# Altium PCB PLD.PcbDoc (part 1 of 4) (continued)
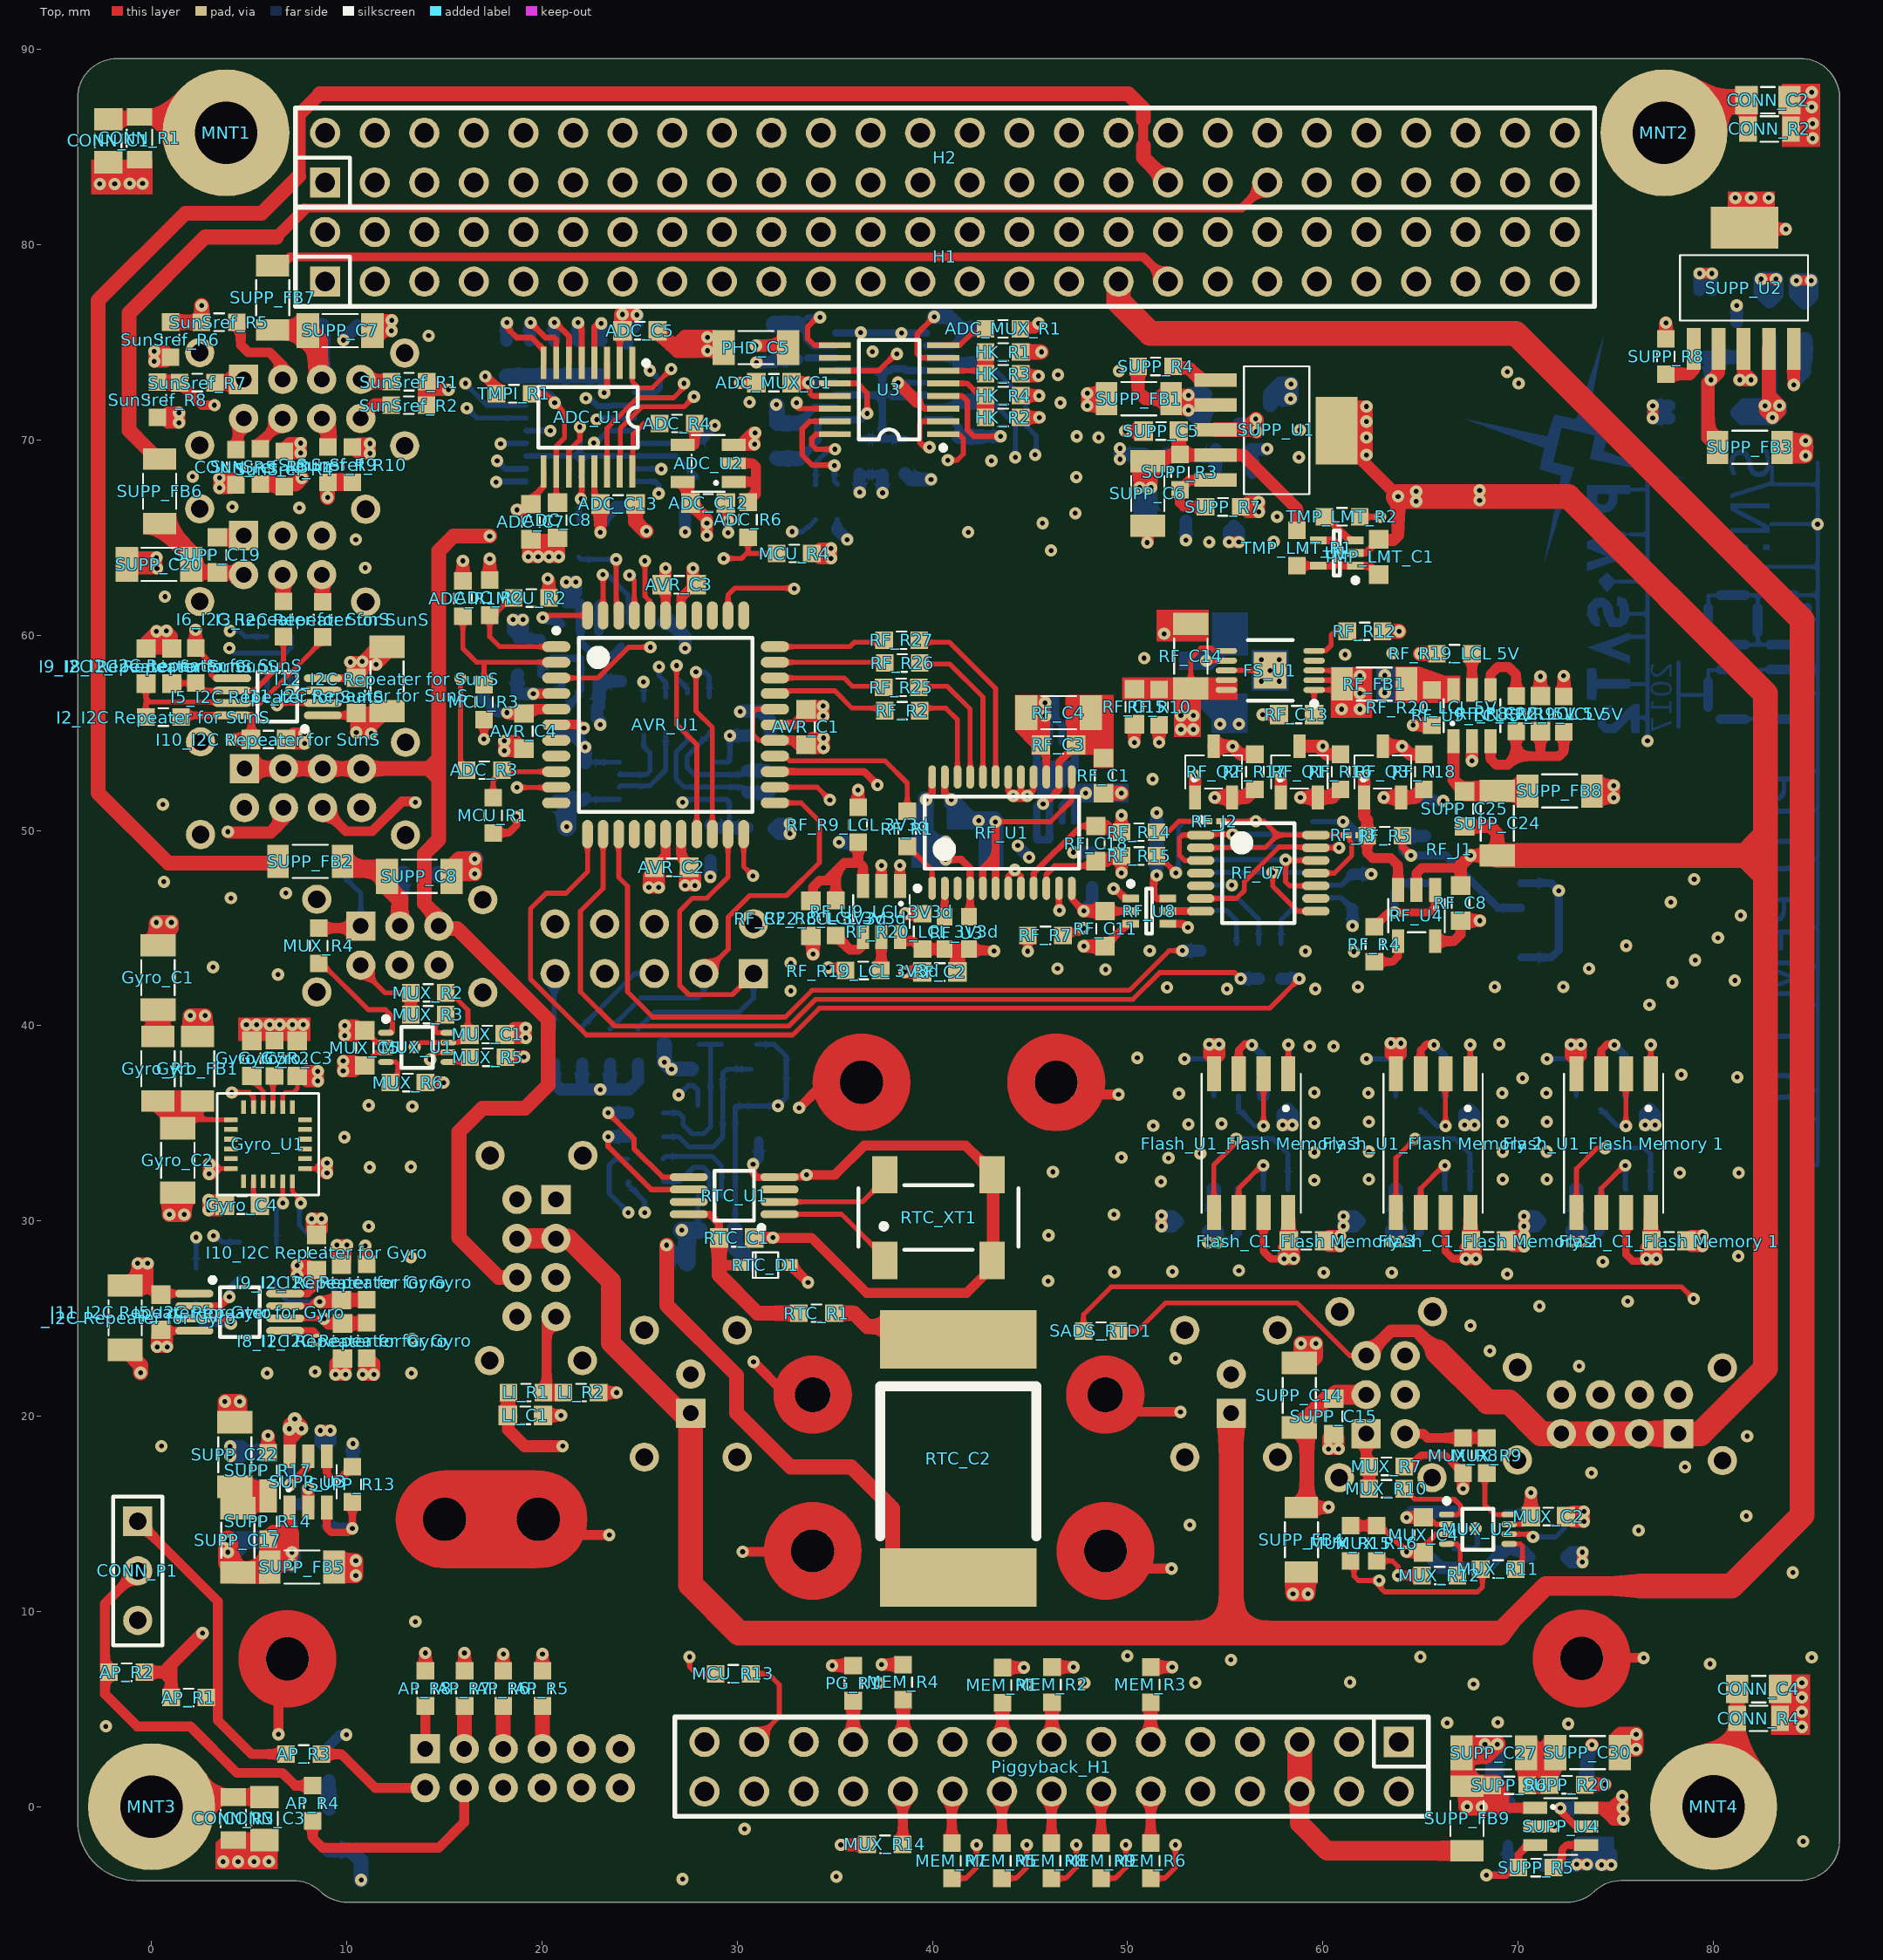
[diagram p0: Top view]
## Components (designator, comment, footprint, x,y, rotation, side; value= is the part's Value field where it differs from the comment)
ADC_C1 "Cap" SMD_Capacitor_0603#1 23.031,74.194 r270 bottom value=10n/50V
ADC_C2 "Cap" SMD_Capacitor_0603#1 21.818,74.188 r270 bottom value=10n/50V
ADC_C3 "Cap" SMD_Capacitor_0603#1 20.604,74.188 r270 bottom value=10n/50V
ADC_C4 "Cap" SMD_Capacitor_0603#1 19.391,74.188 r270 bottom value=10n/50V
ADC_C5 "100n/50V" SMD_Capacitor_0603#1 25.022,75.598 r0 top
ADC_C6 "Cap" SMD_Capacitor_0603#1 18.177,74.188 r270 bottom value=10n/50V
ADC_C7 "Cap" SMD_Capacitor_0603#1 19.427,65.812 r270 top value=10n/50V
ADC_C8 "Cap" SMD_Capacitor_0603#1 20.799,65.888 r270 top value=10n/50V
ADC_C10 "1u/25V" SMD_Capacitor_1206 26.006,74.956 r0 bottom
ADC_C11 "1u/25V" SMD_Capacitor_1206 25.675,66.523 r0 bottom
ADC_C12 "100n/50V" SMD_Capacitor_0603#1 28.512,66.769 r0 top
ADC_C13 "100n/50V" SMD_Capacitor_0603#1 23.889,66.719 r0 top
ADC_J1 "2 way net tie junction" 2way_LP#1 22.025,68.64 r270 bottom net-tie
ADC_J2 "2 way net tie junction" 2way_LP#1 45.056,49.175 r45 bottom net-tie
ADC_MUX_C1 "100n/50V" SMD_Capacitor_0603#1 31.882,72.931 r180 top
ADC_MUX_R1 "330R" SMD_Resistor_0603 43.612,75.692 r0 top
ADC_R1 "10R" SMD_Resistor_0603 15.947,61.875 r270 top
ADC_R2 "10R" SMD_Resistor_0603 17.319,61.926 r270 top
ADC_R3 "10R" SMD_Resistor_0603 17.039,53.087 r0 top
ADC_R4 "10R" SMD_Resistor_0603 26.92,70.841 r0 top
ADC_R6 "100R/1%" SMD_Resistor_0603 30.552,65.914 r270 top
ADC_U1 "ADC128S102CIMT" TSSOP16 22.354,71.164 r180 top
ADC_U2 "NC7SZ00" SOT23-5 28.512,68.801 r180 top
AP_R1 "10k" SMD_Resistor_0603 1.901,5.589 r180 top
AP_R2 "10k" SMD_Resistor_0603 -1.274,6.884 r0 top
AP_R3 "100R" SMD_Resistor_0603 7.794,2.693 r180 top
AP_R4 "100R" SMD_Resistor_0603 8.251,0.178 r90 top
AP_R5 "100R" SMD_Resistor_0603 20.021,6.056 r90 top
AP_R6 "100R" SMD_Resistor_0603 18.015,6.056 r90 top
AP_R7 "100R" SMD_Resistor_0603 16.034,6.056 r90 top
AP_R8 "100R" SMD_Resistor_0603 14.027,6.056 r90 top
AVR_C1 "100n/50V" SMD_Capacitor_0603#1 33.524,55.296 r90 top
AVR_C2 "100n/50V" SMD_Capacitor_0603#1 26.641,48.108 r0 top
AVR_C3 "100n/50V" SMD_Capacitor_0603#1 27.022,62.586 r180 top
AVR_C4 "100n/50V" SMD_Capacitor_0603#1 19.071,55.093 r270 top
AVR_C6 "100n/50V" SMD_Capacitor_0603#1 18.716,58.979 r90 bottom
AVR_P1 "Header 5X2" HDR2X5 30.832,42.673 r180 bottom
AVR_U1 "ATMEGA164PV-10AQ" TQFP-44 26.319,55.407 r0 top
CONN_C1 "100n/100V" SMD_Capacitor_0805 -2.222,85.329 r90 top
CONN_C2 "100n/100V" SMD_Capacitor_0805 82.8,87.402 r180 top
CONN_C3 "100n/100V" SMD_Capacitor_0805 5.787,-0.609 r270 top
CONN_C4 "100n/100V" SMD_Capacitor_0805 82.317,6.02 r0 top
CONN_H1 "SunSref" Harwin_Datamate_L-Tek_M80-8670805 4.714,73.101 r0 bottom locked value="Harwin DataMate L-Tek 2x4pin"
CONN_H2 "Sail" Harwin_Datamate_L-Tek_M80-8670805 20.714,31.101 r270 bottom locked value="Harwin DataMate L-Tek 2x4pin"
CONN_H3 "CAMwing" Harwin_Datamate_L-Tek_M80-8670605 10.714,45.101 r0 bottom locked value="Harwin DataMate L-Tek 2x3pin"
CONN_H4 "PanelsX+Y-_Sensors" Harwin_Datamate_L-Tek_M80-8670805 78.214,19.101 r180 bottom locked value="Harwin DataMate L-Tek 2x4pin"
CONN_H5 "CAMnadir" Harwin_Datamate_L-Tek_M80-8670605 62.214,19.101 r90 bottom locked value="Harwin DataMate L-Tek 2x3pin"
CONN_H6 "PanelsX-Y+_Sensors" Harwin_Datamate_L-Tek_M80-8670805 4.756,53.165 r0 bottom locked value="Harwin DataMate L-Tek 2x4pin"
CONN_H7 "Access port" Harwin_Datamate_L-Tek_M80-8411242 14.014,0.967 r0 bottom locked value="Harwin DataMate L-Tek 2x6pin"
CONN_H8 "SADS_KnifeMain" Harwin_Datamate_L-Tek_M80-8770222 55.302,20.153 r90 bottom locked value="Harwin DataMate L-Tek 1x2pin"
CONN_H9 "SADS_KnifeRed" Harwin_Datamate_L-Tek_M80-8770222 27.616,20.153 r90 bottom locked value="Harwin DataMate L-Tek 1x2pin"
CONN_H10 "SunS" Harwin_Datamate_L-Tek_M80-8670605 4.714,65.101 r0 bottom locked value="Harwin DataMate L-Tek 2x3pin"
CONN_P1 "Header 3" "HEADER 1X3 FEMALE" -0.709,14.62 r270 top locked
CONN_R1 "1k/1%" SMD_Resistor_0805 -0.624,85.454 r90 top
CONN_R2 "1k/1%" SMD_Resistor_0805 82.876,85.929 r180 top
CONN_R3 "1k/1%" SMD_Resistor_0805 4.187,-0.609 r270 top
CONN_R4 "1k/1%" SMD_Resistor_0805 82.317,4.522 r0 top
CONN_R5 "100R" SMD_Resistor_0603 4.314,68.606 r90 top
"Flash_C1_Flash Memory 1" "100n/50V" SMD_Capacitor_0603#1 77.724,28.98 r180 top (schematic designator Flash_C1)
"Flash_C1_Flash Memory 2" "100n/50V" SMD_Capacitor_0603#1 68.478,28.98 r180 top (schematic designator Flash_C1)
"Flash_C1_Flash Memory 3" "100n/50V" SMD_Capacitor_0603#1 59.157,28.98 r180 top (schematic designator Flash_C1)
"Flash_U1_Flash Memory 1" "Value" SOIC-8-W 74.89,33.984 r270 top (schematic designator Flash_U1)
"Flash_U1_Flash Memory 2" "Value" SOIC-8-W 65.644,33.984 r270 top (schematic designator Flash_U1)
"Flash_U1_Flash Memory 3" "Value" SOIC-8-W 56.323,33.984 r270 top (schematic designator Flash_U1)
"FRAM_C1_FRAM Memory 1" "100n/50V" SMD_Capacitor_0603#1 72.023,29.985 r0 bottom (schematic designator FRAM_C1)
"FRAM_C1_FRAM Memory 2" "100n/50V" SMD_Capacitor_0603#1 62.778,29.983 r0 bottom (schematic designator FRAM_C1)
"FRAM_C1_FRAM Memory 3" "100n/50V" SMD_Capacitor_0603#1 53.456,29.985 r0 bottom (schematic designator FRAM_C1)
FS_U1 "LT3042" MSOP-10-M-thermal-pad 57.301,58.197 r180 top
Gyro_C1 "10u/25V" SMD_Capacitor_1206 0.326,42.469 r90 top
Gyro_C2 "10u/25V" SMD_Capacitor_1206 1.342,33.097 r270 top
Gyro_C3 "10nF/50V" SMD_Capacitor_0603#1 7.464,38.329 r90 top
Gyro_C4 "2.2nF/50V" SMD_Capacitor_0603#1 4.644,30.811 r180 top
Gyro_C5 "0.1uF/50V" SMD_Capacitor_0603#1 5.127,38.329 r90 top
Gyro_FB1 "120R/100MHz" SMD_FerriteBead_1206 2.358,37.796 r270 top
Gyro_R1 "0.22R/1%" SMD_Resistor_1206 0.326,37.796 r270 top
Gyro_R2 "10k" SMD_Resistor_0603 6.295,38.329 r90 top value=Res
Gyro_U1 "ITG3200" QFN24_4x4 5.965,33.935 r180 top
H1 "Samtec Header SSQ-126-21-G-D" Samtec_SSQ-126-21-G-D 8.891,78.11 r0 top locked
H2 "Samtec Header SSQ-126-21-G-D" Samtec_SSQ-126-21-G-D 8.89,83.19 r0 top locked
HK_R1 "4.7k/0.1%" SMD_Resistor_0603 43.617,74.506 r180 top
HK_R2 "4.7k/0.1%" SMD_Resistor_0603 43.617,71.153 r180 top
HK_R3 "4.7k/0.1%" SMD_Resistor_0603 43.617,73.388 r0 top
HK_R4 "4.7k/0.1%" SMD_Resistor_0603 43.617,72.27 r0 top
"I1_I2C Repeater for Gyro" "4.7k/1%" SMD_Resistor_0603 11.02,23.877 r90 top (schematic designator I1)
"I1_I2C Repeater for PLD" "4.7k/1%" SMD_Resistor_0603 30.501,53.963 r270 bottom (schematic designator I1)
"I1_I2C Repeater for RTC" "4.7k/1%" SMD_Resistor_0603 30.088,39.048 r180 bottom (schematic designator I1)
"I1_I2C Repeater for SunS" "4.7k/1%" SMD_Resistor_0603 2.257,58.446 r270 top (schematic designator I1)
"I2_I2C Repeater for Gyro" "4.7k/1%" SMD_Resistor_0603 11.024,26.873 r270 top (schematic designator I2)
"I2_I2C Repeater for PLD" "4.7k/1%" SMD_Resistor_0603 30.527,51.042 r90 bottom (schematic designator I2)
"I2_I2C Repeater for RTC" "4.7k/1%" SMD_Resistor_0603 31.612,37.778 r180 bottom (schematic designator I2)
"I2_I2C Repeater for SunS" "4.7k/1%" SMD_Resistor_0603 0.606,55.804 r180 top (schematic designator I2)
"I3_I2C Repeater for Gyro" "100R" SMD_Resistor_0603 6.397,27.89 r270 bottom (schematic designator I3)
"I3_I2C Repeater for PLD" "100R" SMD_Resistor_0603 27.453,56.16 r270 bottom (schematic designator I3)
"I3_I2C Repeater for RTC" "100R" SMD_Resistor_0603 25.32,34.316 r0 bottom (schematic designator I3)
"I3_I2C Repeater for SunS" "100R" SMD_Resistor_0603 8.759,60.808 r270 top (schematic designator I3)
"I4_I2C Repeater for Gyro" "100R" SMD_Resistor_0603 4.492,28.017 r90 bottom (schematic designator I4)
"I4_I2C Repeater for PLD" "100R" SMD_Resistor_0603 26.336,55.931 r90 bottom (schematic designator I4)
"I4_I2C Repeater for RTC" "100R" SMD_Resistor_0603 25.294,33.173 r180 bottom (schematic designator I4)
"I4_I2C Repeater for SunS" "100R" SMD_Resistor_0603 5.914,59.03 r90 bottom (schematic designator I4)
"I5_I2C Repeater for Gyro" "PCA9517" TSSOP8_L 4.517,24.054 r0 top (schematic designator I5)
"I5_I2C Repeater for PLD" "PCA9517" TSSOP8_L 26.412,53.811 r0 bottom (schematic designator I5)
"I5_I2C Repeater for RTC" "PCA9517" TSSOP8_L 27.675,33.587 r90 bottom (schematic designator I5)
"I5_I2C Repeater for SunS" "PCA9517" TSSOP8_L 6.448,58.116 r180 top (schematic designator I5)
"I6_I2C Repeater for Gyro" "100R" SMD_Resistor_0603 8.454,28.068 r270 bottom (schematic designator I6)
"I6_I2C Repeater for PLD" "100R" SMD_Resistor_0603 28.571,55.931 r270 bottom (schematic designator I6)
"I6_I2C Repeater for RTC" "100R" SMD_Resistor_0603 25.32,35.535 r0 bottom (schematic designator I6)
"I6_I2C Repeater for SunS" "100R" SMD_Resistor_0603 6.752,60.834 r270 top (schematic designator I6)
"I7_I2C Repeater for Gyro" "100R" SMD_Resistor_0603 2.282,26.696 r90 bottom (schematic designator I7)
"I7_I2C Repeater for PLD" "100R" SMD_Resistor_0603 25.218,55.779 r90 bottom (schematic designator I7)
"I7_I2C Repeater for RTC" "100R" SMD_Resistor_0603 25.32,32.005 r180 bottom (schematic designator I7)
"I7_I2C Repeater for SunS" "100R" SMD_Resistor_0603 7.133,59.081 r90 bottom (schematic designator I7)
"I8_I2C Repeater for Gyro" "10p/50V" SMD_Capacitor_0603#1 9.775,23.851 r270 top (schematic designator I8)
"I8_I2C Repeater for PLD" "10p/50V" SMD_Capacitor_0603#1 31.746,54.001 r90 bottom (schematic designator I8)
"I8_I2C Repeater for RTC" "10p/50V" SMD_Capacitor_0603#1 27.167,39.048 r180 bottom (schematic designator I8)
"I8_I2C Repeater for SunS" "10p/50V" SMD_Capacitor_0603#1 1.037,58.421 r90 top (schematic designator I8)
"I9_I2C Repeater for Gyro" "10p/50V" SMD_Capacitor_0603#1 9.724,26.848 r90 top (schematic designator I9)
"I9_I2C Repeater for PLD" "10p/50V" SMD_Capacitor_0603#1 31.746,50.953 r270 bottom (schematic designator I9)
"I9_I2C Repeater for RTC" "10p/50V" SMD_Capacitor_0603#1 28.564,37.778 r180 bottom (schematic designator I9)
"I9_I2C Repeater for SunS" "10p/50V" SMD_Capacitor_0603#1 -0.283,58.421 r90 top (schematic designator I9)
"I10_I2C Repeater for Gyro" "100n/50V" SMD_Capacitor_0603#1 8.454,28.383 r270 top (schematic designator I10)
"I10_I2C Repeater for PLD" "100n/50V" SMD_Capacitor_0603#1 28.622,49.378 r90 bottom (schematic designator I10)
"I10_I2C Repeater for RTC" "100n/50V" SMD_Capacitor_0603#1 31.104,34.984 r90 bottom (schematic designator I10)
"I10_I2C Repeater for SunS" "100n/50V" SMD_Capacitor_0603#1 5.99,54.661 r180 top (schematic designator I10)
"I11_I2C Repeater for Gyro" "100n/50V" SMD_Capacitor_0603#1 0.479,25.324 r90 top (schematic designator I11)
"I11_I2C Repeater for PLD" "100n/50V" SMD_Capacitor_0603#1 22.221,52.541 r270 bottom (schematic designator I11)
"I11_I2C Repeater for RTC" "100n/50V" SMD_Capacitor_0603#1 28.945,29.523 r0 bottom (schematic designator I11)
"I11_I2C Repeater for SunS" "100n/50V" SMD_Capacitor_0603#1 10.486,56.922 r270 top (schematic designator I11)
"I12_I2C Repeater for Gyro" "1u/25V" SMD_Capacitor_1206 -1.35,25.045 r90 top (schematic designator I12)
"I12_I2C Repeater for PLD" "1u/25V" SMD_Capacitor_1206 20.621,53.188 r270 bottom (schematic designator I12)
"I12_I2C Repeater for RTC" "1u/25V" SMD_Capacitor_1206 29.072,27.872 r0 bottom (schematic designator I12)
"I12_I2C Repeater for SunS" "1u/25V" SMD_Capacitor_1206 12.061,57.76 r270 top (schematic designator I12)
LI_C1 "100n/50V" SMD_Capacitor_0603#1 19.148,20.041 r180 top
LI_R1 "10k/1%" SMD_Resistor_0603 19.173,21.21 r180 top
LI_R2 "10k/1%" SMD_Resistor_0603 21.992,21.21 r180 top
MCU_R1 "10k" SMD_Resistor_0603 17.497,50.775 r90 top
MCU_R2 "10k" SMD_Resistor_0603 19.452,61.9 r180 top
MCU_R3 "10k" SMD_Resistor_0603 17.027,56.574 r90 top
MCU_R4 "10k" SMD_Resistor_0603 32.915,64.186 r180 top
MCU_R5 "10k" SMD_Resistor_0603 21.891,64.898 r270 bottom
MCU_R6 "10k" SMD_Resistor_0603 33.88,66.803 r90 bottom
MCU_R7 "10k" SMD_Resistor_0603 35.124,66.828 r90 bottom
MCU_R8 "10k" SMD_Resistor_0603 25.32,60.656 r180 bottom
MCU_R9 "10k" SMD_Resistor_0603 24.964,38.761 r90 bottom
MCU_R10 "10k" SMD_Resistor_0603 23.483,38.939 r90 bottom
MCU_R11 "10k" SMD_Resistor_0603 22.052,38.939 r90 bottom
MCU_R12 "10k" SMD_Resistor_0603 20.621,38.939 r90 bottom
MCU_R13 "10k" SMD_Resistor_0603 29.79,6.808 r180 top
MEM_R1 "100R" SMD_Resistor_0603 43.582,6.224 r90 top
MEM_R2 "100R" SMD_Resistor_0603 46.122,6.249 r90 top
MEM_R3 "100R" SMD_Resistor_0603 51.177,6.249 r90 top
MEM_R4 "100R" SMD_Resistor_0603 38.502,6.376 r90 top
MEM_R5 "100R" SMD_Resistor_0603 43.557,-2.768 r270 top
MEM_R6 "100R" SMD_Resistor_0603 51.177,-2.768 r270 top
MEM_R7 "100R" SMD_Resistor_0603 40.992,-2.768 r270 top
MEM_R8 "100R" SMD_Resistor_0603 46.097,-2.768 r270 top
MEM_R9 "100R" SMD_Resistor_0603 48.637,-2.768 r270 top
MNT1 "Mounting Hole" PC-104_PcbMntHole_M3#1 3.81,85.73 r0 top locked
MNT2 "Mounting Hole" PC-104_PcbMntHole_M3#1 77.472,85.737 r0 top locked
MNT3 "Mounting Hole" PC-104_PcbMntHole_M3#2 0,0 r0 top locked
MNT4 "Mounting Hole" PC-104_PcbMntHole_M3#2 80.012,0.007 r0 top locked
MUX_C1 "100n/50V" SMD_Capacitor_0603#1 17.192,39.548 r0 top
MUX_C2 "100n/50V" SMD_Capacitor_0603#1 71.548,14.86 r0 top
MUX_C3 "100n/50V" SMD_Capacitor_0603#1 71.472,12.777 r0 bottom
MUX_C4 "100n/50V" SMD_Capacitor_0603#1 65.147,13.92 r90 top
MUX_C5 "100n/50V" SMD_Capacitor_0603#1 10.918,38.863 r90 top
MUX_R1 "10k" SMD_Resistor_0603 10.639,47.778 r0 bottom
MUX_R2 "10k" SMD_Resistor_0603 14.169,41.682 r0 top
MUX_R3 "100R" SMD_Resistor_0603 14.169,40.564 r180 top
MUX_R4 "100R" SMD_Resistor_0603 8.556,44.095 r90 top
MUX_R5 "100R" SMD_Resistor_0603 17.217,38.38 r180 top
MUX_R6 "100R" SMD_Resistor_0603 13.128,37.085 r180 top
MUX_R7 "10k" SMD_Resistor_0603 63.267,17.425 r180 top
MUX_R8 "10k" SMD_Resistor_0603 67.179,17.984 r90 top
MUX_R9 "100R" SMD_Resistor_0603 68.398,17.984 r270 top
MUX_R10 "100R" SMD_Resistor_0603 63.267,16.282 r0 top
MUX_R11 "100R" SMD_Resistor_0603 68.982,12.167 r180 top
MUX_R12 "100R" SMD_Resistor_0603 65.985,11.837 r180 top
MUX_R13 "100R" SMD_Resistor_0603 71.497,15.088 r180 bottom
MUX_R14 "100R" SMD_Resistor_0603 37.563,-1.93 r0 top
MUX_R15 "10k" SMD_Resistor_0603 61.417,13.487 r90 top
MUX_R16 "10k" SMD_Resistor_0603 62.759,13.488 r90 top
MUX_U1 "TXS0102-Q1" VSSOP-8 13.6,38.889 r0 top
MUX_U2 "TXS0102-Q1" VSSOP-8 67.941,14.21 r0 top
MUX_U3 "NC7SZ00" SOT23-5 68.043,14.148 r0 bottom
OBC_D1 "LEDX" "LED 0805 Blue" 9.084,-1.168 r270 bottom
OBC_R1 "100R" SMD_Resistor_0603 9.084,2.218 r90 bottom
PG_R1 "10k" SMD_Resistor_0603 35.937,6.325 r90 top
PHD_C1 "100n/50V" SMD_Capacitor_0603#1 33.193,69.948 r270 bottom
PHD_C2 "100n/50V" SMD_Capacitor_0603#1 41.406,74.774 r90 bottom
PHD_C3 "100n/50V" SMD_Capacitor_0603#1 33.053,75.028 r90 bottom
PHD_C4 "100n/50V" SMD_Capacitor_0603#1 42.566,71.07 r270 bottom
PHD_C5 "1u/25V" SMD_Capacitor_1206 30.959,74.727 r180 top
PHD_C6 "100n/50V" SMD_Capacitor_0603#1 31.882,72.931 r0 bottom
PHD_C8 "100n/50V" SMD_Capacitor_0603#1 37.434,69.135 r270 bottom
PHD_R1 "1.0k/0.1%" SMD_Resistor_0603 41.356,71.066 r270 bottom
PHD_R2 "1.0k/0.1%" SMD_Resistor_0603 42.617,74.778 r90 bottom
PHD_R3 "1.0k/0.1%" SMD_Resistor_0603 32.029,69.973 r270 bottom
PHD_R4 "1.0k/0.1%" SMD_Resistor_0603 31.907,75.014 r90 bottom
PHD_R5 "1.0k/0.1%" SMD_Resistor_0603 36.266,69.161 r270 bottom
PHD_R6 "47k/0.1%" SMD_Resistor_0603 38.603,69.161 r90 bottom
PHD_U1 "LTC6079" SSOP-16 37.369,73.25 r0 bottom
Piggyback_H1 "Samtec ESQ-115-12-T-D" Samtec_ESQ-115-12-T-D 63.884,3.316 r180 top locked
R1 "10k/1%" SMD_Resistor_0603 17.827,57.024 r0 bottom
RF_C1 "Cap" SMD_Capacitor_0603#1 48.764,52.807 r90 top value=100n
RF_C2 "Cap" SMD_Capacitor_0603#1 40.382,42.749 r180 top value=100n
RF_C3 "Cap" SMD_Capacitor_0603#1 46.457,54.382 r0 top value=100n
RF_C4 "Cap" SMD_Capacitor_1206 46.457,56.033 r0 top value=10u
RF_C5 "Cap" SMD_Capacitor_0603#1 48.18,47.981 r90 bottom value=100n
RF_C6 "Cap" SMD_Capacitor_1206 41.296,48.997 r180 bottom value=1u
RF_C7 "Cap" SMD_Capacitor_0603#1 40.306,50.572 r180 bottom value=100n
RF_C8 "Cap" SMD_Capacitor_0603#1 67.052,46.279 r90 top value=100n
RF_C9 "Cap" SMD_Capacitor_0603#1 63.166,49.708 r0 bottom value=100n
RF_C10 "Cap" SMD_Capacitor_0603#1 61.515,46.864 r270 bottom value=100n
RF_C11 "100n/50V" SMD_Capacitor_0603#2 49.348,44.781 r270 top
RF_C12 "Cap" SMD_Capacitor_1206 62.632,57.481 r0 bottom value=1u
RF_C13 "Cap" SMD_Capacitor_0603#1 58.651,55.931 r180 top value=100n
RF_C14 "Cap" SMD_Capacitor_1206 53.234,58.929 r90 top value=10u
RF_C15 "Cap" SMD_Capacitor_0603#1 50.339,56.338 r270 top value=100n
RF_C16 "Cap" SMD_Capacitor_1206 55.241,58.065 r270 bottom value=4.7u
RF_C17 "Cap" SMD_Capacitor_0603#1 50.582,49.912 r180 bottom
RF_C18 "Cap" SMD_Capacitor_0603#1 48.372,49.327 r270 top
RF_C19 "Cap" SMD_Capacitor_0603#1 50.582,48.692 r0 bottom
RF_C20 "100n/50V" SMD_Capacitor_0603#1 24.05,58.537 r90 bottom
RF_C21 "100n/50V" SMD_Capacitor_0603#1 22.196,61.723 r180 bottom
"RF_C22_LCL 3V3d" "Cap" SMD_Capacitor_0603#1 33.778,45.492 r270 top value=100n (schematic designator RF_C22)
"RF_C22_LCL 5V" "Cap" SMD_Capacitor_0603#1 71.141,55.982 r90 top value=100n (schematic designator RF_C22)
RF_FB1 "600R/100MHz" 1206 62.632,57.5 r0 top
RF_J1 "2 way net tie junction" 2way_LP#2 66.468,49.023 r180 top net-tie
RF_J2 "2 way net tie junction" 2way_LP#1 54.428,50.47 r0 top net-tie
RF_J3 "2 way net tie junction" 2way_LP#1 61.566,49.759 r180 top net-tie
RF_Q1 "MMBFJ270" SOT23-3 58.797,52.999 r90 top
RF_Q2 "MMBFJ270" SOT23-3 54.403,52.999 r90 top
RF_Q3 "MMBFJ270" SOT23-3 63.064,52.999 r90 top
RF_R1 "100R" SMD_Resistor_0603 38.706,50.089 r270 top
RF_R2 "100R" SMD_Resistor_0603 38.452,56.135 r0 top
RF_R3 "10k" SMD_Resistor_0603 65.172,50.608 r270 bottom
RF_R4 "20k" SMD_Resistor_0603 62.632,44.171 r270 top
RF_R5 "12k/0.01%/5 PPM" SMD_Resistor_0603 63.166,49.734 r180 top
RF_R6 "100R" SMD_Resistor_0603 57.857,43.308 r90 bottom
RF_R7 "100R" SMD_Resistor_0603 45.782,44.623 r0 top
"RF_R8_LCL 3V3d" "1k" SMD_Resistor_0603 35.048,45.517 r90 top (schematic designator RF_R8)
"RF_R8_LCL 5V" "1k" SMD_Resistor_0603 69.897,55.982 r270 top (schematic designator RF_R8)
"RF_R9_LCL 3V3d" "100k" SMD_Resistor_0603 36.191,50.293 r90 top (schematic designator RF_R9)
"RF_R9_LCL 5V" "100k" SMD_Resistor_0603 72.335,55.957 r90 top (schematic designator RF_R9)
RF_R10 "100k" SMD_Resistor_0603 51.609,56.312 r90 top
RF_R11 "45k" SMD_Resistor_0603 53.082,57.797 r90 bottom
RF_R12 "1k" SMD_Resistor_0603 62.15,60.199 r180 top
RF_R13 "10k" SMD_Resistor_0603 36.191,50.293 r90 bottom
RF_R14 "1k" SMD_Resistor_0603 50.582,49.912 r180 top
RF_R15 "1k" SMD_Resistor_0603 50.582,48.692 r180 top
RF_R16 "100k" SMD_Resistor_0603 60.905,52.999 r90 top
RF_R17 "100k" SMD_Resistor_0603 56.511,52.999 r90 top
RF_R18 "100k" SMD_Resistor_0603 65.172,52.999 r90 top
"RF_R19_LCL 3V3d" "75k" SMD_Resistor_0603 36.445,42.825 r0 top (schematic designator RF_R19)
"RF_R19_LCL 5V" "75k" SMD_Resistor_0603 66.736,59.056 r0 top (schematic designator RF_R19)
"RF_R20_LCL 3V3d" "100k" SMD_Resistor_0603 39.493,44.832 r270 top (schematic designator RF_R20)
"RF_R20_LCL 5V" "100k" SMD_Resistor_0603 65.579,56.291 r90 top (schematic designator RF_R20)
RF_R21 "0603" SMD_Resistor_0603 21.916,56.276 r0 bottom value=DNC
RF_R22 "0603" SMD_Resistor_0603 19.935,58.892 r270 bottom value=100R
RF_R23 "100R" SMD_Resistor_0603 56.714,43.308 r90 bottom
RF_R24 "100R" SMD_Resistor_0603 54.631,43.841 r0 bottom
RF_R25 "100R" SMD_Resistor_0603 38.401,57.328 r0 top
RF_R26 "100R" SMD_Resistor_0603 38.452,58.573 r0 top
RF_R27 "100R" SMD_Resistor_0603 38.426,59.741 r0 top
RF_U1 "AD7714YRZ" TSSOP-24-RU-24-N 43.557,49.886 r90 top
RF_U2 "LTC6655-2.5" MSOP-8 46.32,52.502 r90 bottom
RF_U3 "Ceramic Crystal" "2.0 x 2.5 mm" 41.246,44.75 r90 top
RF_U4 "LTC2054" SOT23-5 64.792,45.637 r270 top
RF_U6 "ADG709" TSSOP16 56.689,48.177 r90 bottom
RF_U7 "CD4007" TSSOP14 56.689,47.814 r0 top
RF_U8 "ADG849YKSZ" SC70-LT6_N 51.101,45.864 r0 top
"RF_U9_LCL 3V3d" "TPS2551DBVx" SOT23-6 37.385,45.848 r270 top (schematic designator RF_U9)
"RF_U9_LCL 5V" "TPS2551DBVx" SOT23-6 67.636,55.881 r90 top (schematic designator RF_U9)
RF_U10 "TPS3813xxxDBV" SOT23-6 21.967,58.918 r270 bottom
RF_Z1 "1.25V" SOIC-8-N 67.789,45.416 r0 bottom
RTC_C1 "100n/50V" SMD_Capacitor_0603#1 29.968,29.134 r0 top
RTC_C2 "2200u/6.3V" Tant_592D_X 41.322,17.831 r270 top
RTC_D1 "1N4148WS" SOD323 31.441,27.737 r0 top
RTC_R1 "1k/1%" SMD_Resistor_0603 34.057,25.274 r0 top
RTC_U1 "Value" TSSOP8_L 29.841,32.563 r180 top
RTC_XT1 "32.768kHz/12.5pF" Epson_MC-306 40.306,30.227 r0 top
SADS_RTD1 "1k" SMD_Resistor_0603 48.637,24.359 r180 top
SunSref_R1 "2.7k/0.1%" SMD_Resistor_0603 13.189,72.985 r0 top
SunSref_R2 "10k/0.1%" SMD_Resistor_0603 13.179,71.781 r0 top
SunSref_R3 "2.7k/0.1%" SMD_Resistor_0603 5.569,68.642 r270 top
SunSref_R4 "10k/0.1%" SMD_Resistor_0603 6.803,68.504 r270 top
SunSref_R5 "2.7k/0.1%" SMD_Resistor_0603 3.461,76.033 r180 top
SunSref_R6 "10k/0.1%" SMD_Resistor_0603 0.961,75.134 r90 top
SunSref_R7 "2.7k/0.1%" SMD_Resistor_0603 2.343,72.934 r180 top
SunSref_R8 "10k/0.1%" SMD_Resistor_0603 0.301,72.06 r90 top
SunSref_R9 "2.7k/0.1%" SMD_Resistor_0603 9.038,68.733 r270 top
SunSref_R10 "10k/0.1%" SMD_Resistor_0603 10.283,68.733 r270 top
SUPP_C1 "10u/16V" SMD_Capacitor_1206 52.98,67.514 r270 bottom
SUPP_C2 "10u/16V" SMD_Capacitor_1206 55.647,72.34 r0 bottom
SUPP_C3 "100n/50V" SMD_Capacitor_0603#1 54.809,70.765 r0 bottom
SUPP_C4 "100n/50V" SMD_Capacitor_0603#1 55.419,69.52 r0 bottom
SUPP_C5 "100n/50V" SMD_Capacitor_0603#1 51.71,70.46 r180 top
SUPP_C6 "10u/16V" SMD_Capacitor_1206 51.025,67.259 r270 top
SUPP_C7 "10u/16V" SMD_Capacitor_1206 9.658,75.601 r0 top
SUPP_C8 "10u/16V" SMD_Capacitor_1206 13.712,47.651 r0 top
SUPP_C9 "100n/50V" SMD_Capacitor_0603#1 13.773,47.737 r0 bottom
SUPP_C10 "10u/16V" SMD_Capacitor_1206 79.6,71.4 r180 bottom
SUPP_C11 "10u/16V" SMD_Capacitor_1206 79.625,75.997 r90 bottom
SUPP_C12 "100n/50V" SMD_Capacitor_0603#1 81.2,75.134 r90 bottom
SUPP_C13 "100n/50V" SMD_Capacitor_0603#1 82.876,76.124 r90 bottom
SUPP_C14 "10u/16V" SMD_Capacitor_1206 58.787,21.072 r90 top
SUPP_C15 "100n/50V" SMD_Capacitor_0603#1 60.55,19.99 r270 top
SUPP_C16 "100n/50V" SMD_Capacitor_0603#1 7.999,18.441 r180 bottom
SUPP_C17 "10u/16V" SMD_Capacitor_1206 4.418,13.64 r90 top
SUPP_C18 "100n/50V" SMD_Capacitor_0603#1 4.85,14.555 r90 bottom
SUPP_C19 "100n/50V" SMD_Capacitor_0603#1 3.374,64.11 r90 top
SUPP_C20 "10u/16V" SMD_Capacitor_1206 0.381,63.627 r180 top
SUPP_C21 "100n/50V" SMD_Capacitor_0603#1 4.85,17.298 r90 bottom
SUPP_C22 "10u/16V" SMD_Capacitor_1206 4.263,18.035 r90 top
SUPP_C23 "100n/50V" SMD_Capacitor_0603#1 9.633,75.855 r180 bottom
SUPP_C24 "10u/16V" SMD_Capacitor_1206 68.932,50.369 r270 top
SUPP_C25 "100n/50V" SMD_Capacitor_0603#1 67.255,51.105 r90 top
SUPP_C26 "100n/50V" SMD_Capacitor_0603#1 74.545,-1.015 r90 bottom
SUPP_C27 "10u/16V" SMD_Capacitor_1206 68.753,2.754 r0 top
SUPP_C28 "100n/50V" SMD_Capacitor_0603#1 69.795,2.287 r0 bottom
SUPP_C29 "100n/50V" SMD_Capacitor_0603#1 72.615,2.287 r0 bottom
SUPP_C30 "10u/16V" SMD_Capacitor_1206 73.554,2.769 r0 top
SUPP_C31 "100n/50V" SMD_Capacitor_0603#1 10.283,16.765 r270 bottom
SUPP_C32 "100n/50V" SMD_Capacitor_0603#1 70.379,-2.997 r180 bottom
SUPP_FB1 "600R/100MHz" 1206 50.567,72.111 r0 top
SUPP_FB2 "600R/100MHz" 1206 8.124,48.413 r0 top
SUPP_FB3 "600R/100MHz" 1206 81.86,69.622 r180 top
SUPP_FB4 "600R/100MHz" 1206 58.899,13.666 r90 top
SUPP_FB5 "600R/100MHz" 1206 7.695,12.269 r180 top
SUPP_FB6 "600R/100MHz" 1206 0.413,67.372 r270 top
SUPP_FB7 "600R/100MHz" 1206 6.204,77.278 r270 top
SUPP_FB8 "600R/100MHz" 1206 72.132,52.02 r180 top
SUPP_FB9 "600R/100MHz" 1206 67.382,-0.609 r90 top
SUPP_R1 "100k/1%" SMD_Resistor_0603 69.44,-0.99 r270 bottom
SUPP_R2 "33R/1%" SMD_Resistor_1206 50.999,67.488 r270 bottom
SUPP_R3 "27k/1%" SMD_Resistor_0603 52.676,68.352 r270 top
SUPP_R4 "1k/1%" SMD_Resistor_0603 51.431,73.762 r0 top
SUPP_R5 "1k/1%" SMD_Resistor_0603 70.913,-3.124 r180 top
SUPP_R6 "470k/1%" SMD_Resistor_0603 69.567,1.093 r0 top
SUPP_R7 "10k/1%" SMD_Resistor_0603 54.885,66.574 r0 top
SUPP_R8 "1k/1%" SMD_Resistor_0603 77.568,74.27 r270 top
SUPP_R9 "470k/1%" SMD_Resistor_0603 69.821,1.118 r0 bottom
SUPP_R10 "22k/1%" SMD_Resistor_0603 83.791,74.067 r0 bottom
SUPP_R11 "13k/1%" SMD_Resistor_0603 84.68,76.048 r90 bottom
SUPP_R12 "100k/1%" SMD_Resistor_0603 7.974,14.351 r0 bottom
SUPP_R13 "1k/1%" SMD_Resistor_0603 10.283,16.511 r270 top
SUPP_R14 "470k/1%" SMD_Resistor_0603 5.967,14.605 r90 top
SUPP_R15 "470k/1%" SMD_Resistor_0603 5.967,14.58 r90 bottom
SUPP_R16 "47k/1%" SMD_Resistor_0603 7.085,16.383 r270 bottom
SUPP_R17 "470k/1%" SMD_Resistor_0603 5.967,17.222 r90 top
SUPP_R18 "470k/1%" SMD_Resistor_0603 5.967,17.222 r90 bottom
SUPP_R19 "47k/1%" SMD_Resistor_0603 73.3,-0.99 r270 bottom
SUPP_R20 "470k/1%" SMD_Resistor_0603 72.513,1.118 r0 top
SUPP_R21 "470k/1%" SMD_Resistor_0603 72.615,1.144 r0 bottom
SUPP_REF1 "LM4040-4.1V 1%" SOT23-3 55.444,67.006 r270 bottom
SUPP_U1 "Value" TI-DCQ 58.101,70.471 r270 top
SUPP_U2 "Value" TI-DCQ 81.595,78.268 r0 top
SUPP_U3 "TPS2551DBVx" SOT23-6 8.025,16.637 r90 top
SUPP_U4 "TPS2551DBVx" SOT23-6 72.183,-1.015 r0 top
TMP_IF_C1 "100n/50V" SMD_Capacitor_0603#1 27.911,69.012 r270 bottom
TMP_IF_U1 "ADG708" TSSOP16 21.964,70.149 r90 bottom
TMP_LMT_C1 "100n/50V" SMD_Capacitor_0603#1 62.861,64.009 r90 top
TMP_LMT_R1 "100R/1%" SMD_Resistor_0603 58.67,64.466 r90 top
TMP_LMT_R2 "1k/1%" SMD_Resistor_0603 60.981,66.066 r0 top
TMPI_R1 "1k/0.1%" SMD_Resistor_0603 18.563,72.365 r180 top
U1 "LMT87" SC70-LT5_N 60.713,64.212 r180 top
U3 "ADG708" TSSOP16 37.775,72.575 r90 top
"U4_FRAM Memory 1" "FM25W256" SOIC-8-N 74.89,33.984 r270 bottom (schematic designator U4)
"U4_FRAM Memory 2" "FM25W256" SOIC-8-N 65.645,33.981 r270 bottom (schematic designator U4)
"U4_FRAM Memory 3" "FM25W256" SOIC-8-N 56.323,33.984 r270 bottom (schematic designator U4)

## Footprints (in the part's own frame and the unit in brackets; to place one, negate y for a bottom-side part, rotate by r counter-clockwise, add the part's x,y. Pads: shape width x height; smd on the part's side, far side on the other; paste and mask are expansions set on the pad)
"2.0 x 2.5 mm" [mm] "Ceramic Package SMD Oscillator"
  rect 0.9x0.8 smd: 1(-0.825,-0.625) 2(0.825,-0.625) 3(0.825,0.625) 4(-0.825,0.625)
  body extent -1.25,-1 1.25,1, height 0.8
2way_LP#1 [mil] "2 way low power net tie junction"
  rrect5% 20x12 smd paste-100: 1(-14,0) 2(14,0)
2way_LP#2 [mil] "2 way low power net tie junction"
  rrect5% 20x12 on Mid4 paste-100: 1(-14,0) 2(14,0)
1206 [mm] "SMD Inductor, Inch 1206, Metric 3216."
  rect 1.1x1.7 smd: 1(-1.65,0) 2(1.65,0)
  silkscreen extent -0.9,-0.85 0.9,0.85, body extent -1.6,-0.8 1.6,0.8, height 1.28
Epson_MC-306 [mm] "kHz RANGE CRYSTAL UNIT"
  rect 1.3x1.9 smd: 1(-2.75,-2.25) 2(2.75,-2.25) 3(2.75,2.15) 4(-2.75,2.15)
  silkscreen extent -4.1,-1.7 4.1,1.6, body extent -4,-1.85 4,1.75, height 2.54
Harwin_Datamate_L-Tek_M80-8411242 [mm] "Harwin Datamate L-Teck M80-8411242, 2mm pitch, 2x6pin, right angle."
  rect 1.5x1.5 hole 0.8: 1(0,-2)
  round 1.5 hole 0.8: 2(2,-2) 3(4,-2) 4(6,-2) 5(8,-2) 6(10,-2) 7(0,0) 8(2,0) 9(4,0) 10(6,0) 11(8,0) 12(10,0)
  body extent -2.75,-2.25 12.75,5.9, height 5.77
Harwin_Datamate_L-Tek_M80-8670605 [mm] "Harwin Datamate L-Teck M80-8670605, 2mm pitch, 2x3pin."
  round 1.5 hole 0.9: 0(-2.25,-1.375) 0(-2.25,3.375) 0(6.25,-1.35) 0(6.25,3.4)
  rect 1.5x1.5 hole 0.8: 1(0,0)
  round 1.5 hole 0.8: 2(2,0) 3(4,0) 4(0,2) 5(2,2) 6(4,2)
  silkscreen extent -2.9,-1.7 6.9,4, body extent -2.95,-1.8 6.95,4.05, height 8.3
Harwin_Datamate_L-Tek_M80-8670805 [mm] "Harwin Datamate L-Teck M80-8670805, 2mm pitch, 2x4pin."
  round 1.5 hole 0.9: 0(-2.25,-1.375) 0(-2.25,3.375) 0(8.25,-1.35) 0(8.25,3.4)
  rect 1.5x1.5 hole 0.8: 1(0,0)
  round 1.5 hole 0.8: 2(2,0) 3(4,0) 4(6,0) 5(0,2) 6(2,2) 7(4,2) 8(6,2)
  silkscreen extent -2.9,-1.7 8.9,4, body extent -2.95,-1.77 8.95,4.08, height 8.3
Harwin_Datamate_L-Tek_M80-8770222 [mm] "Harwin Datamate L-Teck M80-8770222, 2mm pitch, 1x2pin."
  round 1.5 hole 0.9: 0(-2.25,-2.375) 0(-2.25,2.375) 0(4.25,-2.375) 0(4.25,2.375)
  rect 1.5x1.5 hole 0.8: 1(0,0)
  round 1.5 hole 0.8: 2(2,0)
  silkscreen extent -2.9,-2 4.9,2.2, body extent -2.95,-1.77 4.95,2.08, height 8.3
HDR2X5 [mm] "Connector; Header; 5x2 Position"
  rect 1.5x1.5 hole 0.9: 1(0,0)
  round 1.5 hole 0.9: 2(0,2.54) 3(2.54,0) 4(2.54,2.54) 5(5.08,0) 6(5.08,2.54) 7(7.62,0) 8(7.62,2.54) 9(10.16,0) 10(10.16,2.54)
  silkscreen extent -1.27,-1.27 11.43,3.81
"HEADER 1X3 FEMALE" [mm] "Connector; Header; 3 Position, Female"
  rect 1.5x1.5 hole 0.9: 1(0,0)
  round 1.5 hole 0.9: 2(2.54,0) 3(5.08,0)
  silkscreen extent -1.27,-1.27 6.35,1.27, body extent -1.4,-1.27 6.48,1.23, height 8.5
"LED 0805 Blue" [mm]
  rect 1.2x1.2 smd: 1(-1.05,0) 2(1.05,0)
  silkscreen extent 1.73,0.97 1.83,1.07, body extent -1.01,-0.62 1.01,0.63, height 1.1
MSOP-8 [mm] "MSOP, 8-Leads, Body 3x3mm, Pitch 0.65mm, IPC High Density"
  oval 1.5x0.45 smd: 1(-2.025,0.975) 2(-2.025,0.325) 3(-2.025,-0.325) 4(-2.025,-0.975) 5(2.025,-0.975) 6(2.025,-0.325) 7(2.025,0.325) 8(2.025,0.975)
  silkscreen extent -2.15,-1.6 0.87,1.88, body extent -2.47,-1.55 2.47,1.55, height 1.1
MSOP-10-M-thermal-pad [mm] "MSOP, 10-Leads, Body 3.00x3.00mm, Pitch 0.50mm, Thermal Pad 1.88x1.68mm, IPC High Density"
  oval 1.1x0.305 smd: 1(-2.25,1) 2(-2.25,0.5) 3(-2.25,0) 4(-2.25,-0.5) 5(-2.25,-1) 6(2.25,-1) 7(2.25,-0.5) 8(2.25,0) 9(2.25,0.5) 10(2.25,1)
  rect 1.68x1.88 smd: 11(0,0)
  silkscreen extent -2.38,-1.55 1.15,1.83, body extent -2.45,-1.55 2.45,1.55, height 1.1
PC-104_PcbMntHole_M3#1 [mm] "PCB Mounting Hole for PC-104 standard. Based on Pumpkin's Kit."
  round 6.5 / inner round 4.435 / far side round 6.5 hole 3.2: 1(0,0)
PC-104_PcbMntHole_M3#2 [mm] "PCB Mounting Hole for PC-104 standard. Based on Pumpkin's Kit."
  round 6.5 / inner round 4.435 / far side round 6.35 hole 3.2: 1(0,0)
QFN24_4x4 [mm] "Footprint for ITG3200 gyroscope."
  rect 0.7x0.25 smd: 1(-1.9,1.25) 2(-1.9,0.75) 3(-1.9,0.25) 4(-1.9,-0.25) 5(-1.9,-0.75) 6(-1.9,-1.25) 13(1.9,-1.25) 14(1.9,-0.75) 15(1.9,-0.25) 16(1.9,0.25) 17(1.9,0.75) 18(1.9,1.25)
  rect 0.25x0.7 smd: 7(-1.25,-1.9) 8(-0.75,-1.9) 9(-0.25,-1.9) 10(0.25,-1.9) 11(0.75,-1.9) 12(1.25,-1.9) 19(1.25,1.9) 20(0.75,1.9) 21(0.25,1.9) 22(-0.25,1.9) 23(-0.75,1.9) 24(-1.25,1.9)
  silkscreen extent -2.6,-2.6 2.6,2.6, body extent -2.01,-2.01 2.01,2.01, height 1
Samtec_ESQ-115-12-T-D [mm] "Samtec ESQ Series Header. ESQ-115-12-T-D."
  rect 1.55x1.55 hole 1: 1(0,0)
  round 1.55 hole 1: 2(0,2.54) 3(2.54,0) 4(2.54,2.54) 5(5.08,0) 6(5.08,2.54) 7(7.62,0) 8(7.62,2.54) 9(10.16,0) 10(10.16,2.54) 11(12.7,0) 12(12.7,2.54) 13(15.24,0) 14(15.24,2.54) 15(17.78,0) 16(17.78,2.54) 17(20.32,0) 18(20.32,2.54) 19(22.86,0) 20(22.86,2.54) 21(25.4,0) 22(25.4,2.54) 23(27.94,0) 24(27.94,2.54) 25(30.48,0) 26(30.48,2.54) 27(33.02,0) 28(33.02,2.54) 29(35.56,0) 30(35.56,2.54)
  silkscreen extent -1.52,-1.27 37.08,3.81, body extent -1.52,-1.27 37.08,3.81, height 11.05
Samtec_SSQ-126-21-G-D [mm] "Samtec SSQ Series Header. SSQ-126-21-G-D. PC-104 End-Stack."
  rect 1.55x1.55 hole 1: 1(0,0)
  round 1.55 hole 1: 2(0,2.54) 3(2.54,0) 4(2.54,2.54) 5(5.08,0) 6(5.08,2.54) 7(7.62,0) 8(7.62,2.54) 9(10.16,0) 10(10.16,2.54) 11(12.7,0) 12(12.7,2.54) 13(15.24,0) 14(15.24,2.54) 15(17.78,0) 16(17.78,2.54) 17(20.32,0) 18(20.32,2.54) 19(22.86,0) 20(22.86,2.54) 21(25.4,0) 22(25.4,2.54) 23(27.94,0) 24(27.94,2.54) 25(30.48,0) 26(30.48,2.54) 27(33.02,0) 28(33.02,2.54) 29(35.56,0) 30(35.56,2.54) 31(38.1,0) 32(38.1,2.54) 33(40.64,0) 34(40.64,2.54) 35(43.18,0) 36(43.18,2.54) 37(45.72,0) 38(45.72,2.54) 39(48.26,0) 40(48.26,2.54) 41(50.8,0) 42(50.8,2.54) 43(53.34,0) 44(53.34,2.54) 45(55.88,0) 46(55.88,2.54) 47(58.42,0) 48(58.42,2.54) 49(60.96,0) 50(60.96,2.54) 51(63.5,0) 52(63.5,2.54)
  silkscreen extent -1.52,-1.27 65.02,3.81, body extent -1.52,-1.21 65.02,3.75, height 8.51
SC70-LT5_N [mm] "SOT353, 5-Leads, Body 2x1.3mm, Pitch 0.65mm, Lead Span 2.1mm, IPC Medium Density"
  rect 0.85x0.4 smd: 1(-0.95,0.65) 2(-0.95,0) 3(-0.95,-0.65) 4(0.95,-0.65) 5(0.95,0.65)
  silkscreen extent -1.07,-1.15 0.15,1.52, body extent -0.67,-1.12 0.68,1.13, height 1.1
SC70-LT6_N [mm] "SOT353, 6-Leads, Body 2x1.3mm, Pitch 0.65mm, Lead Span 2.1mm, IPC Medium Density"
  rect 0.85x0.4 smd: 1(-0.95,0.65) 2(-0.95,0) 3(-0.95,-0.65) 4(0.95,-0.65) 5(0.95,0) 6(0.95,0.65)
  silkscreen extent -1.07,-1.15 0.15,1.52, body extent -1.15,-1.05 1.15,1.05, height 1
SMD_Capacitor_0603#1 [mm] "SMD Capacitor, Inch 0603, Metric 1608."
  rect 0.95x1 smd: 1(-0.9,0) 2(0.9,0)
  silkscreen extent -0.25,-0.45 0.25,0.45, body extent -0.8,-0.4 0.8,0.4, height 0.3
SMD_Capacitor_0603#2 [mm] "SMD Capacitor, Inch 0603, Metric 1608."
  rect 0.95x1 smd: 1(-1.092,-0.508) 2(0.708,-0.508)
  silkscreen extent -0.44,-0.96 0.06,-0.06, body extent -0.99,-0.91 0.61,-0.11, height 0.3
SMD_Capacitor_0805 [mm] "SMD Capacitor, Inch 0805, Metric 2012."
  rect 1.15x1.45 smd: 1(-1.1,0) 2(1.1,0)
  silkscreen extent -0.35,-0.68 0.35,0.68, body extent -1,-0.62 1,0.63, height 0.78
SMD_Capacitor_1206 [mm] "SMD Capacitor, Inch 1206, Metric 3216."
  rect 1.15x1.8 smd: 1(-1.65,0) 2(1.65,0)
  silkscreen extent -0.9,-0.85 0.9,0.85, body extent -1.6,-0.8 1.6,0.8, height 1
SMD_FerriteBead_1206 [mm] "SMD Ferrite Bead, Inch 1206, Metric 3216."
  rect 1.1x1.7 smd: 1(-1.65,0) 2(1.65,0)
  silkscreen extent -0.9,-0.85 0.9,0.85, body extent -1.6,-0.8 1.6,0.8, height 1.1
SMD_Resistor_0603 [mm] "SMD Resistor, Inch 0603, Metric 1608."
  rect 0.9x0.9 smd: 1(-0.9,0) 2(0.9,0)
  silkscreen extent -0.25,-0.45 0.25,0.45, body extent -0.8,-0.45 0.8,0.45, height 0.5
SMD_Resistor_0805 [mm] "SMD Resistor, Inch 0805, Metric 2012."
  rect 0.9x1.3 smd: 1(-1.1,0) 2(1.1,0)
  silkscreen extent -0.45,-0.65 0.45,0.65, body extent -1,-0.62 1,0.63, height 0.5
SMD_Resistor_1206 [mm] "SMD Resistor, Inch 1206, Metric 3216."
  rect 1.1x1.7 smd: 1(-1.65,0) 2(1.65,0)
  silkscreen extent -0.9,-0.85 0.9,0.85, body extent -1.6,-0.8 1.6,0.8, height 0.8
SOD323 [mm] "JEDEC standard."
  rect 0.8x0.6 smd: A(1.25,0) K(-1.25,0)
  silkscreen extent -0.65,-0.65 0.65,0.65, body extent -1.3,-0.67 1.3,0.68, height 1.1
SOIC-8-N [mm] "JEDEC standard. SO-8."
  rect 1.78x0.72 smd: 1(-2.42,1.92) 2(-2.42,0.65) 3(-2.42,-0.62) 4(-2.42,-1.89) 5(2.36,-1.89) 6(2.36,-0.62) 7(2.36,0.65) 8(2.36,1.92)
  silkscreen extent -2.15,-2.45 2.11,2.45, body extent -3.02,-2.44 2.98,2.46, height 1.7
SOIC-8-W [mm] "JEDEC standard. SO-8-W."
  rect 1.78x0.72 smd: 1(-3.556,1.905) 2(-3.556,0.635) 3(-3.556,-0.635) 4(-3.556,-1.905) 5(3.556,-1.905) 6(3.556,-0.635) 7(3.556,0.635) 8(3.556,1.905)
  silkscreen extent -3.56,-2.54 3.56,2.54, body extent -4.05,-2.73 4.05,2.73, height 1.75
SOT23-3 [mm] "JEDEC TO-236AB package."
  rect 1.22x0.62 smd: 1(-1.31,0.95) 2(-1.31,-0.95) 3(1.31,0)
  silkscreen extent -0.85,-1.45 0.85,1.45, body extent -1.4,-1.45 1.4,1.45, height 1.3
SOT23-5 [mm] "JEDEC MO-178AA package."
  rect 1.22x0.62 smd: 1(-1.31,0.95) 2(-1.31,0) 3(-1.31,-0.95) 4(1.31,-0.95) 5(1.31,0.95)
  silkscreen extent -0.85,-1.45 0.85,1.45, body extent -1.4,-1.45 1.4,1.45, height 1.45
SOT23-6 [mm] "JEDEC MO-178AB package."
  rect 1.22x0.62 smd: 1(-1.31,0.95) 2(-1.31,0) 3(-1.31,-0.95) 4(1.31,-0.95) 5(1.31,0) 6(1.31,0.95)
  silkscreen extent -0.85,-1.45 0.85,1.45, body extent -1.4,-1.45 1.4,1.45, height 1.45
SSOP-16 [mm] "SOP, 16-Leads, Body 5x4mm, Pitch 0.635mm, IPC High Density"
  oval 1.95x0.4 smd: 1(-2.325,2.222) 2(-2.325,1.587) 3(-2.325,0.953) 4(-2.325,0.318) 5(-2.325,-0.318) 6(-2.325,-0.953) 7(-2.325,-1.587) 8(-2.325,-2.222) 9(2.325,-2.222) 10(2.325,-1.587) 11(2.325,-0.953) 12(2.325,-0.318) 13(2.325,0.318) 14(2.325,0.953) 15(2.325,1.587) 16(2.325,2.222)
  silkscreen extent -2.45,-2.5 0.95,3.1, body extent -3.13,-2.5 3.13,2.5, height 1.74
Tant_592D_X [mm] "Vishay 592D tantalum series capacitor."
  rect 3x8 smd: 1(-6.1,0) 2(6.1,0)
  silkscreen extent -3.7,-4 4,4, body extent -7.75,-3.8 6.65,3.8, height 2
TI-DCQ [mm] "Texas Instruments DCQ (R-PDSO-G6) package"
  rect 0.7x2.15 smd: 1(-2.6,-3.6) 2(-1.325,-3.6) 3(-0.05,-3.6) 4(1.25,-3.6) 5(2.525,-3.6)
  rect 3.45x2.15 smd: 6(0,2.6)
  silkscreen extent -3.3,-2.15 3.25,1.2, body extent -3.32,-4.07 3.23,3.19, height 1.8